# Altium PCB MainBoard.PcbDoc (part 2 of 2)
Units mm, origin at the board's own origin, x right, y up, seen from the top; angles counter-clockwise.
Board outline 63.5 x 63.5 mm, 4 copper layers (SIG-TOP, GND, PWR, SIG_BOT), stack 1.586 mm thick; 49 components, 50 nets, 318 pads, 614 vias.
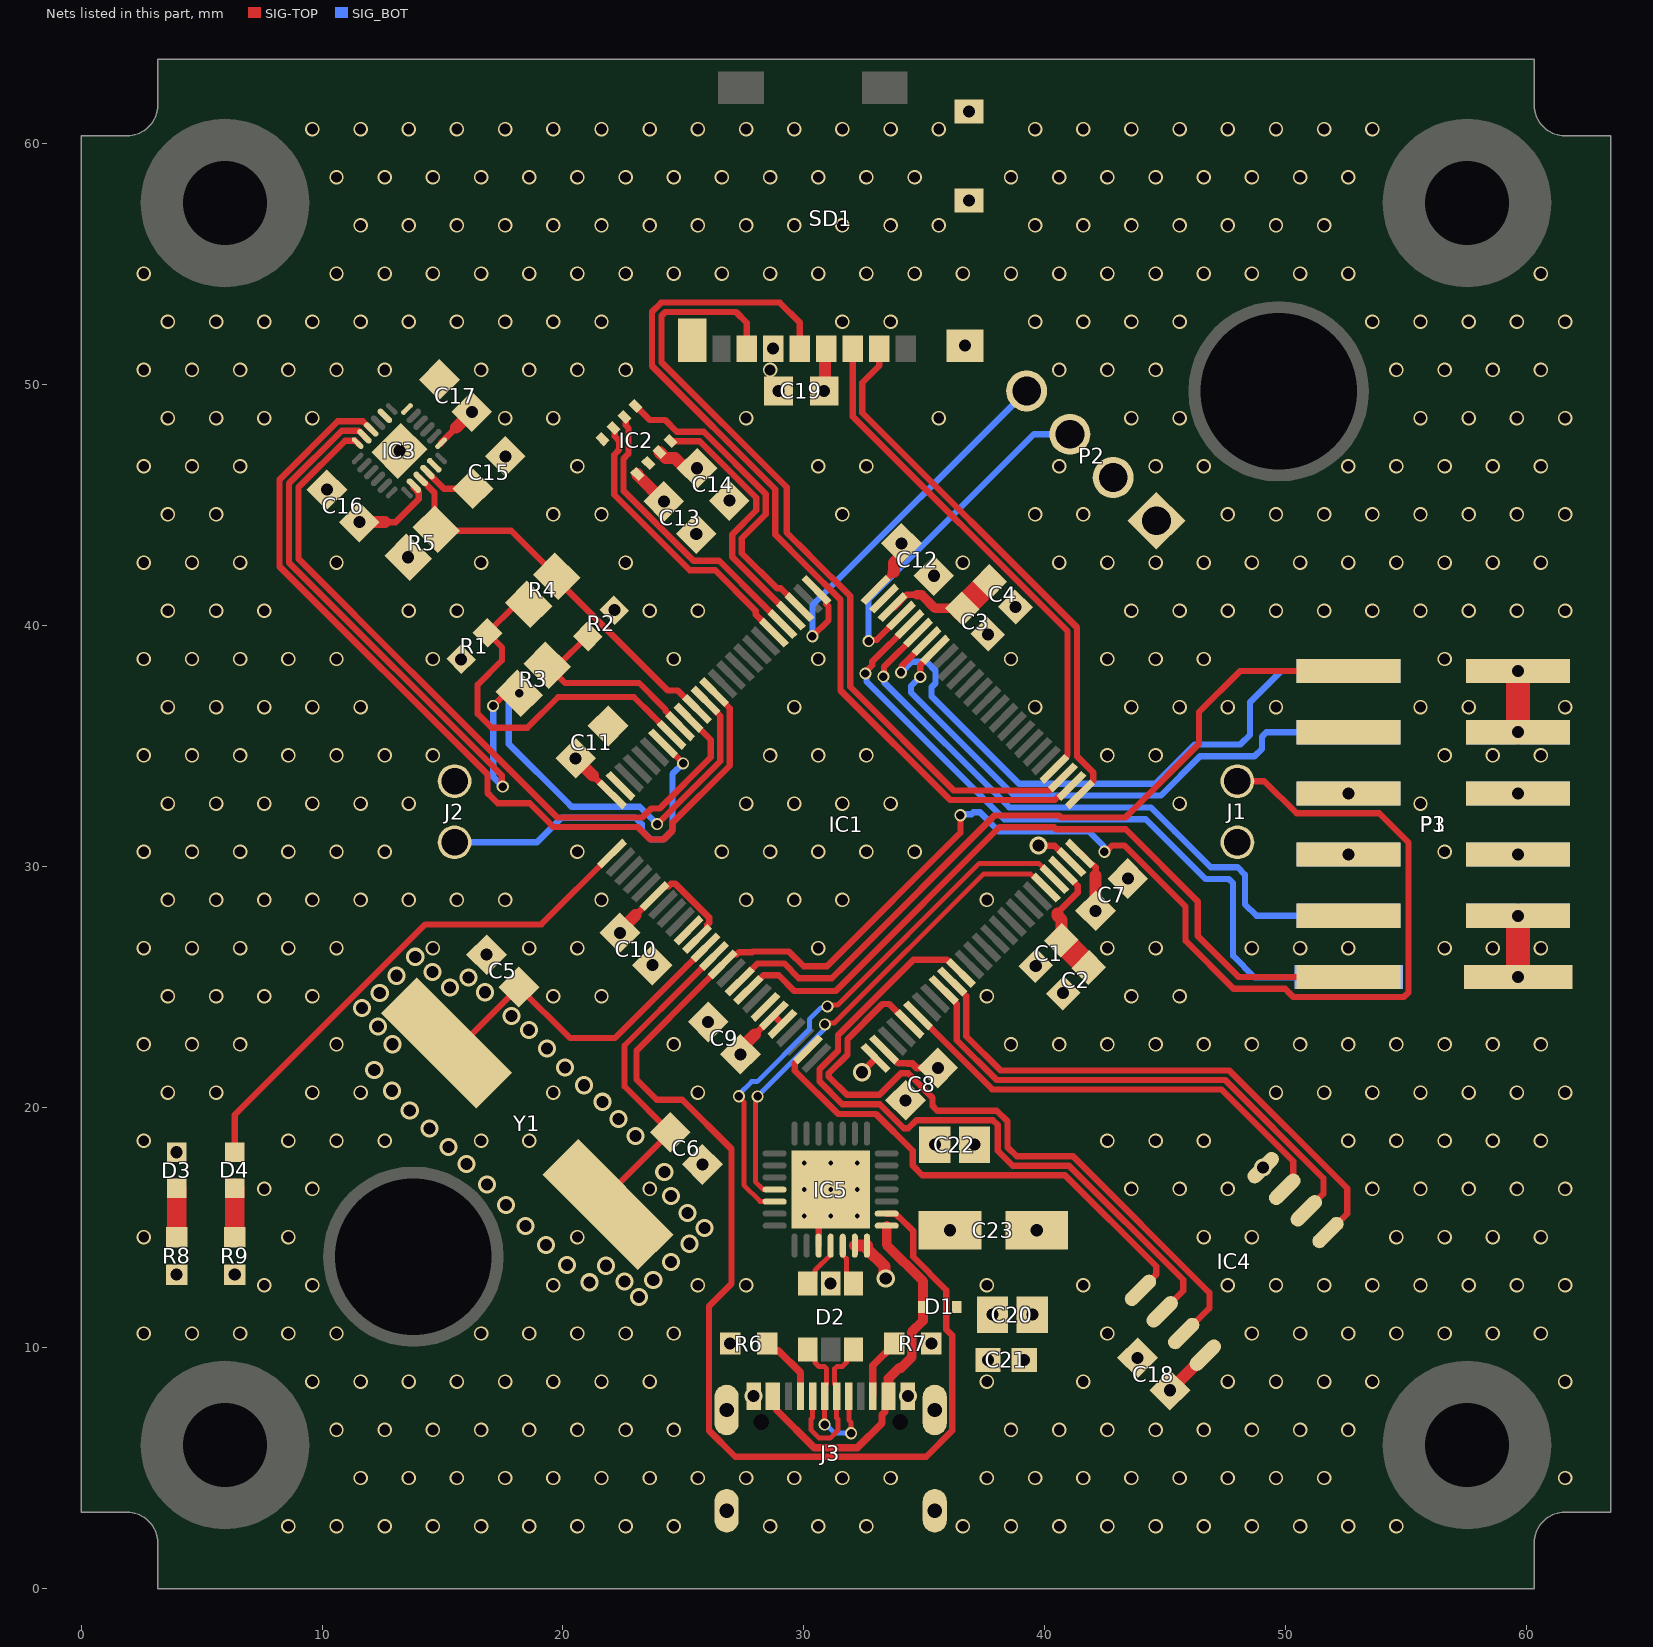
[diagram p4: the nets of this part, all layers, seen from the top]

## Part data
C1 C2 C3 C4: library part CAP-0603-16V, "2.2 µF ±10% 16V Ceramic Capacitor X5R 0603 (1608 Metric)", Manufacturer="Samsung Electro-Mechanics", Part number=CL10A225KO8NNNC
C5 C6: library part CAP-0805-250V-18pF, "18 pF ±1% 250V Ceramic Capacitor C0G, NP0 0805 (2012 Metric)"
C7 C8 C9 C10 C11 C12 C13 C14 C15 C16 C17 C18 C19 C20 C22: library part CAP-0805-25V-100n, "0.1 µF ±10% 25V Ceramic Capacitor X7R 0805 (2012 Metric)"
C21: library part CAP-0603-10V-1uF, "1 µF -20%, +80% 10V Ceramic Capacitor Y5V (F) 0603 (1608 Metric)"
C23: library part CAP-RADIALSMD-4.7uF(BIAS), "4.7 µF 50 V Aluminum Electrolytic Capacitors Radial, Can - SMD 2000 Hrs @ 105°C"
D1: library part TVS-8V-5.8V, "8V (Typ) Clamp 1.5A (8/20µs) Ipp Tvs Diode Surface Mount SOD-523"
D2: library part TVS-6V-17V, "17V Clamp 5A (8/20µs) Ipp Tvs Diode Surface Mount SOT-23-6"
D3 D4: library part LED-0603-Green_, "Green 571nm LED Indication - Discrete 2V 0603 (1608 Metric)"
IC1: library part STMH723VGT6, "ARM® Cortex®-M7 STM32H7 Microcontroller IC 32-Bit Single-Core 550MHz 1MB (1M x 8) FLASH 100-LQFP (14x14)", Manufacturer=STMicroelectronics, Part number=STM32H723VGT6
IC2: "Pressure Sensor 4.35PSI ~ 15.95PSI (30kPa ~ 110kPa) Absolute 16b 8-SMD"
IC3: library part IMU-ICM20649-SPI, "Accelerometer, Gyroscope, Temperature, 6 Axis Sensor I2C, SPI Output"
IC4: library part Flashchip-32MBIT-3V3, "FLASH - NOR Memory IC 32Mbit SPI - Quad I/O 133 MHz 8-SOIC"
IC5: library part USbtoUART, "USB Bridge, USB to UART USB 2.0 UART Interface 28-QFN (5x5)", Manufacturer="Silicon Labs", Part number=CP2102-GMR
J1 J2: library part Header-2-Pin-Male, "Connector Header Through Hole 2 position 0.100\" (2.54mm)", Manufacturer="Würth Elektronik", Part number=61300211121
J3: library part "USB C", "USB-C (USB TYPE-C) USB 2.0 Receptacle Connector 24 (16+8 Dummy) Position Surface Mount, Right Angle; Through Hole", Manufacturer=GCT, Part number=USB4105-GF-A
P1: library part BoardToBoard_Bottom, "Connector Header Through Hole 12 position 0.100\" (2.54mm)"
P2: library part Header-4-Pin, "Male Header, Pitch 2.54 mm, 1 x 4 Position, Height 11.7 mm, Tail Length 3.56 mm, RoHS, Bulk", Manufacturer=MOLEX, Part number=22-27-2041
P3: library part BoardToBoard_Top, "12 Position Receptacle Connector 0.100\" (2.54mm) Through Hole Gold"
R1 R2 R6 R7: library part RES-0603-3.3k, "3.3 kOhms ±0.1% 0.1W, 1/10W Chip Resistor 0603 (1608 Metric) Automotive AEC-Q200 Thin Film", Manufacturer="Panasonic Electronic Components", Part number=ERA-3AEB332V
R3 R4 R5: library part RES-0805-0R, "0 Ohms Jumper Chip Resistor 0805 (2012 Metric) Automotive AEC-Q200 Thick Film"
R8 R9: library part RES-0603-267R, "267 Ohms ±1% 0.1W, 1/10W Chip Resistor 0603 (1608 Metric) Automotive AEC-Q200 Thick Film", Manufacturer="Panasonic Electronic Components", Part number=ERJ-3EKF2670V
SD1: library part microSD-card-connector, "10 (8 + 2) Position Card Connector Secure Digital - microSD™ Surface Mount, Right Angle Gold", Manufacturer=Molex, Parameter 2=1040310811
Y1: library part OSC-8MHz-3V3, "8 MHz ±20ppm Crystal 18pF 80 Ohms HC-49/US"

## Free pads (board coordinates)
  round 7 hole 3.5 mask+0.05: ""(5.969,5.969) ""(5.969,57.531) ""(57.531,5.969) ""(57.531,57.531)
  round 7.5 hole 6.502 mask+0.05: ""(13.789,13.789) ""(49.711,49.711)

## Via types
v1: diameter 0.6, hole 0.45, SIG-TOP to SIG_BOT, tented both sides, 481 vias
v2: diameter 0.75, hole 0.5, SIG-TOP to SIG_BOT, tented both sides, 105 vias
v3: diameter 0.5, hole 0.35, SIG-TOP to SIG_BOT, tented both sides, 19 vias
v4: diameter 0.5, hole 0.2, SIG-TOP to SIG_BOT, 9 vias

## Nets (pads, with @x,y where several pads share a name; then routed paths per layer and width w, separated by ;. In a path a pad name is that pad's centre, name@x,y a point inside that pad or via, vN(x,y) a via of type N, cw(c..) or ccw(c..) an arc to the next point about the centre after c; other vN are vias at no path point)
3V3: C7.2 C8.2 C9.2 C10.2 C11.2 C12.2 C13.2 C14.2 C16.2 C17.2 C18.2 C19.2 C20.2 C21.2 C22.2 C23.2 D3.2 IC1.6 IC1.11 IC1.20 IC1.21 IC1.27 IC1.50 IC1.75 IC1.100 IC2.6 IC2.8 IC3.8 IC3.13 IC4.8 IC5.6 IC5.7 J2.2 P1.1 P1.2 P2.1 P3.11 P3.12 R1.2 R2.1 SD1.4 | length 36.1
  SIG-TOP w0.27: 12.621,44.283 13.055,44.283 14.004,45.233 14.004,45.515 13.809,45.71 IC3.8@13.809,45.794 ; IC3.13@14.94,47.562 14.94,47.582 15.561,48.203 ; 21.241,33.763 22.026,32.979 IC1.100@22.036,32.979 ; 23.014,27.964 IC1.6@23.804,28.753 24.219,29.169 24.382,29.169 24.475,29.262 24.67,29.262 26.08,27.852 26.08,27.657 25.991,27.567 25.987,27.564 25.987,27.401 IC1.11@25.571,26.986 ; 27.964,23.014 IC1.20@28.753,23.804 IC1.21@29.107,23.45 ; IC1.75@32.979,41.464 33.73,42.216 ; IC1.27@33.333,22.389 33.912,21.81 34.306,21.81 ; IC1.50@41.464,30.521 41.485,30.521 41.947,30.059 42.004,30.059 42.109,29.954 42.109,29.612
  SIG-TOP w0.3: 34.306,21.81 34.503,21.81 34.69,21.623 v2(35.564,21.623)
  SIG-TOP w0.5: v2(11.545,44.283) 12.621,44.283 ; 15.561,48.203 v2(16.217,48.858) ; v2(20.528,34.477) 21.241,33.763 ; v2(22.366,27.233) 22.366,27.315 23.014,27.964 ; IC2.8@23.086,46.275 23.086,46.243 v2(24.19,45.14) ; IC2.6@24.006,47.195 24.264,46.936 24.654,46.936 25.071,46.519 v2(25.566,46.519) ; v2(27.37,22.187) 27.37,22.42 27.964,23.014 ; v2(30.846,49.733) 30.887,49.774 30.887,51.443 SD1.4@30.927,51.484 ; IC5.6@32.115,14.249 IC5.7@32.615,14.249 32.615,14.123 33.353,13.385 33.353,12.926 v2(33.401,12.878) ; 33.73,42.216 33.741,42.226 33.741,42.593 34.053,42.905 v2(34.053,43.4) ; v2(42.109,28.142) 42.109,29.612 ; v2(45.198,8.244) 45.205,8.244 46.661,9.7 IC4.8@46.669,9.7
  SIG-TOP w1: v2(59.654,25.4) v2(59.654,27.94)
  other v2: 37.647,9.501 37.834,11.379 36.068,14.884 3.962,18.124 35.437,18.437 15.77,38.586 22.132,40.629
5V: P1.5 P1.6 P3.7 P3.8 | length 2.5
  SIG-TOP w1: v2(59.654,35.56) v2(59.654,38.1)
BMP_CS: IC1.81 IC2.2 | length 12
  SIG-TOP w0.262: IC2.2@22.096,48.184 22.149,48.131 22.149,47.843 22.327,47.666 22.327,47.281 22.123,47.078 22.123,45.42 25.258,42.285 26.318,42.285 27.925,40.677 28.002,40.6 28.002,40.448 IC1.81@28.753,39.696
BMP_MISO: IC1.79 IC2.5 | length 10.9
  SIG-TOP w0.262: IC2.5@24.465,47.654 24.518,47.601 24.581,47.601 24.618,47.638 25.679,47.638 28.029,45.287 28.029,44.771 27.029,43.77 27.029,42.835 28.671,41.193 IC1.79@29.46,40.404
BMP_MOSI: IC1.80 IC2.3 | length 12.1
  SIG-TOP w0.262: IC2.3@22.556,48.644 22.609,48.591 22.609,48.303 22.719,48.193 22.719,47.119 22.515,46.915 22.515,45.583 25.421,42.677 26.48,42.677 28.317,40.84 IC1.80@29.107,40.05
BMP_SCK: IC1.78 IC2.4 | length 13.1
  SIG-TOP w0.262: IC2.4@23.016,49.104 23.595,48.525 24.234,48.525 24.729,48.03 25.841,48.03 28.421,45.45 28.421,44.605 27.422,43.606 27.422,42.996 28.885,41.534 29.037,41.534 IC1.78@29.814,40.757
BOOT0: IC1.94 J2.1 | length 14.3
  SIG-TOP w0.262: IC1.94@24.157,35.1 v3(24.989,34.269)
  SIG_BOT w0.262: J2.1@15.502,30.988 18.923,30.988 19.939,32.004 23.012,32.004 23.278,31.738 23.278,31.478 23.65,31.106 24.176,31.106 24.548,31.478 24.548,33.829 v3(24.989,34.269)
FLASH_CS: IC1.35 IC4.1 | length 23.1
  SIG-TOP w0.262: IC1.35@36.161,25.218 36.161,25.191 36.744,24.607 36.744,22.941 38.17,21.515 47.659,21.515 52.553,16.621 52.553,15.57 51.773,14.791 IC4.1@51.76,14.791
FLASH_IO0: IC1.24 IC4.5 | length 21.1
  SIG-TOP w0.262: IC1.24@30.167,22.389 30.167,22.362 29.623,21.817 29.623,21.508 31.42,19.71 32.207,19.71 32.995,19.71 34.516,18.189 34.516,17.575 34.919,17.171 40.842,17.171 44.628,13.385 44.628,13.047 IC4.5@43.975,12.394
FLASH_IO1: IC1.34 IC4.2 | length 21.6
  SIG-TOP w0.262: IC1.34@35.807,24.864 35.807,24.837 36.352,24.292 36.352,22.779 38.008,21.124 47.496,21.124 51.569,17.051 51.569,16.396 IC4.2@50.862,15.689
FLASH_IO2: IC1.31 IC4.3 | length 19.4
  SIG-TOP w0.262: IC1.31@34.747,23.804 37.819,20.732 47.334,20.732 50.317,17.748 50.317,16.941 IC4.3@49.964,16.587
FLASH_IO3: IC1.30 IC4.7 | length 28.6
  SIG-TOP w0.262: IC1.30@34.393,23.45 34.366,23.45 33.539,24.277 33.267,24.277 31.812,22.822 31.812,22.177 31.04,21.405 31.04,21.259 31.79,20.509 33.006,20.509 33.141,20.509 34.031,21.399 34.333,21.399 35.34,20.391 35.34,20.056 35.546,19.85 38.011,19.85 38.453,19.408 38.453,18.337 38.835,17.955 41.172,17.955 46.838,12.289 46.838,11.643 IC4.7@45.792,10.598
FLASH_SCK: IC1.36 IC4.6 | length 30
  SIG-TOP w0.262: IC1.36@36.514,25.571 36.488,25.571 35.943,26.116 34.552,26.116 31.42,22.984 31.42,22.339 30.648,21.567 30.648,21.067 31.598,20.117 32.614,20.117 33.151,20.117 34.154,19.114 34.331,19.114 34.674,19.458 37.849,19.458 38.049,19.258 38.049,18.186 38.673,17.563 41.009,17.563 45.745,12.827 45.745,12.369 IC4.6@44.873,11.496
GND: C1.1 C2.1 C3.1 C4.1 C5.1 C6.1 C7.1 C8.1 C9.1 C10.1 C11.1 C12.1 C13.1 C14.1 C15.1 C16.1 C17.1 C18.1 C19.1 C20.1 C21.1 C22.1 C23.1 D1.2 D2.5 IC1.10 IC1.19 IC1.26 IC1.49 IC1.74 IC1.99 IC2.1 IC2.7 IC3.11 IC3.18 IC3.20 IC3.25 IC4.4 IC5.3 IC5.29 J1.1 J3.1 J3.12 J3.13 J3.14 J3.15 J3.16 P1.3 P1.4 P1.8 P1.9 P1.10 P1.11 P2.2 P3.3 P3.4 P3.9 P3.10 R5.1 R6.2 R7.2 R8.2 R9.2 SD1.6 SD1.9 SD1.10 SD1.11 SD1.12 | length 14.6
  SIG-TOP w0.27: IC5.3@30.615,14.249 30.615,15.084 31.005,15.473 v4(31.115,15.473) ; v2(32.407,21.444) 32.979,22.015 IC1.26@32.979,22.036 ; v2(39.739,30.849) 40.408,30.849 41.089,30.167 IC1.49@41.111,30.167
  SIG_BOT w0.27: v4(30.015,15.473) v4(31.115,16.573) ; v4(30.015,16.573) v4(31.115,16.573) ; v4(30.015,17.674) v4(31.115,16.573) ; v4(31.115,15.473) v4(31.115,16.573) ; v4(31.115,17.674) v4(31.115,16.573) ; v4(32.215,15.473) v4(31.115,16.573) ; v4(32.215,16.573) v4(31.115,16.573) ; v4(32.215,17.674) v4(31.115,16.573)
  other v1: 8.6,2.6 10.6,2.6 12.6,2.6 14.6,2.6 16.6,2.6 18.6,2.6 20.6,2.6 22.6,2.6 24.6,2.6 28.6,2.6 30.6,2.6 32.6,2.6 36.6,2.6 38.6,2.6 40.6,2.6 42.6,2.6 44.6,2.6 46.6,2.6 48.6,2.6 50.6,2.6 52.6,2.6 54.6,2.6 11.6,4.6 13.6,4.6 15.6,4.6 17.6,4.6 19.6,4.6 21.6,4.6 23.6,4.6 25.6,4.6 27.6,4.6 29.6,4.6 31.6,4.6 33.6,4.6 37.6,4.6 39.6,4.6 41.6,4.6 43.6,4.6 45.6,4.6 47.6,4.6 49.6,4.6 51.6,4.6 61.6,4.6 10.6,6.6 12.6,6.6 14.6,6.6 16.6,6.6 18.6,6.6 20.6,6.6 22.6,6.6 24.6,6.6 38.6,6.6 40.6,6.6 42.6,6.6 44.6,6.6 46.6,6.6 48.6,6.6 50.6,6.6 52.6,6.6 9.6,8.6 11.6,8.6 13.6,8.6 15.6,8.6 17.6,8.6 19.6,8.6 21.6,8.6 23.6,8.6 37.6,8.6 41.6,8.6 47.6,8.6 49.6,8.6 51.6,8.6 53.6,8.6 61.6,8.6 2.6,10.6 4.6,10.6 6.6,10.6 8.6,10.6 10.6,10.6 16.6,10.6 18.6,10.6 20.6,10.6 22.6,10.6 24.6,10.6 42.6,10.6 48.6,10.6 50.6,10.6 52.6,10.6 54.6,10.6 56.6,10.6 58.6,10.6 60.6,10.6 7.6,12.6 9.6,12.6 19.6,12.6 25.6,12.6 27.6,12.6 37.6,12.6 41.6,12.6 47.6,12.6 49.6,12.6 51.6,12.6 53.6,12.6 55.6,12.6 57.6,12.6 59.6,12.6 61.6,12.6 2.6,14.6 8.6,14.6 20.6,14.6 46.6,14.6 48.6,14.6 54.6,14.6 56.6,14.6 58.6,14.6 60.6,14.6 7.6,16.6 9.6,16.6 23.6,16.6 43.6,16.6 45.6,16.6 47.6,16.6 53.6,16.6 55.6,16.6 57.6,16.6 59.6,16.6 61.6,16.6 2.6,18.6 8.6,18.6 10.6,18.6 12.6,18.6 16.6,18.6 18.6,18.6 42.6,18.6 44.6,18.6 46.6,18.6 52.6,18.6 54.6,18.6 56.6,18.6 58.6,18.6 60.6,18.6 3.6,20.6 5.6,20.6 9.6,20.6 11.6,20.6 19.6,20.6 25.6,20.6 49.6,20.6 51.6,20.6 53.6,20.6 55.6,20.6 57.6,20.6 59.6,20.6 61.6,20.6 2.6,22.6 4.6,22.6 6.6,22.6 10.6,22.6 24.6,22.6 38.6,22.6 40.6,22.6 42.6,22.6 44.6,22.6 46.6,22.6 48.6,22.6 50.6,22.6 52.6,22.6 54.6,22.6 56.6,22.6 58.6,22.6 60.6,22.6 3.6,24.6 5.6,24.6 7.6,24.6 9.6,24.6 19.6,24.6 21.6,24.6 37.6,24.6 43.6,24.6 45.6,24.6 2.6,26.6 4.6,26.6 6.6,26.6 8.6,26.6 10.6,26.6 14.6,26.6 18.6,26.6 20.6,26.6 30.6,26.6 42.6,26.6 44.6,26.6 48.6,26.6 50.6,26.6 52.6,26.6 56.6,26.6 58.6,26.6 60.6,26.6 3.6,28.6 5.6,28.6 7.6,28.6 9.6,28.6 11.6,28.6 13.6,28.6 15.6,28.6 17.6,28.6 21.6,28.6 27.6,28.6 29.6,28.6 31.6,28.6 37.6,28.6 2.6,30.6 4.6,30.6 6.6,30.6 8.6,30.6 10.6,30.6 12.6,30.6 20.6,30.6 26.6,30.6 28.6,30.6 30.6,30.6 32.6,30.6 34.6,30.6 56.6,30.6 3.6,32.6 5.6,32.6 7.6,32.6 9.6,32.6 11.6,32.6 13.6,32.6 27.6,32.6 29.6,32.6 31.6,32.6 33.6,32.6 45.6,32.6 55.6,32.6 2.6,34.6 4.6,34.6 6.6,34.6 8.6,34.6 10.6,34.6 12.6,34.6 14.6,34.6 28.6,34.6 30.6,34.6 32.6,34.6 42.6,34.6 44.6,34.6 56.6,34.6 58.6,34.6 60.6,34.6 3.6,36.6 5.6,36.6 7.6,36.6 9.6,36.6 11.6,36.6 29.6,36.6 39.6,36.6 43.6,36.6 45.6,36.6 47.6,36.6 49.6,36.6 55.6,36.6 57.6,36.6 61.6,36.6 2.6,38.6 4.6,38.6 6.6,38.6 8.6,38.6 10.6,38.6 14.6,38.6 24.6,38.6 30.6,38.6 38.6,38.6 42.6,38.6 44.6,38.6 46.6,38.6 56.6,38.6 3.6,40.6 5.6,40.6 7.6,40.6 13.6,40.6 15.6,40.6 23.6,40.6 25.6,40.6 43.6,40.6 45.6,40.6 47.6,40.6 49.6,40.6 51.6,40.6 53.6,40.6 55.6,40.6 57.6,40.6 59.6,40.6 61.6,40.6 2.6,42.6 4.6,42.6 6.6,42.6 10.6,42.6 16.6,42.6 22.6,42.6 36.6,42.6 40.6,42.6 42.6,42.6 44.6,42.6 46.6,42.6 48.6,42.6 50.6,42.6 52.6,42.6 54.6,42.6 56.6,42.6 58.6,42.6 60.6,42.6 3.6,44.6 5.6,44.6 19.6,44.6 21.6,44.6 31.6,44.6 39.6,44.6 41.6,44.6 47.6,44.6 49.6,44.6 51.6,44.6 53.6,44.6 55.6,44.6 57.6,44.6 59.6,44.6 61.6,44.6 2.6,46.6 4.6,46.6 6.6,46.6 20.6,46.6 30.6,46.6 32.6,46.6 40.6,46.6 44.6,46.6 46.6,46.6 52.6,46.6 54.6,46.6 56.6,46.6 58.6,46.6 60.6,46.6 3.6,48.6 5.6,48.6 7.6,48.6 9.6,48.6 17.6,48.6 19.6,48.6 27.6,48.6 35.6,48.6 43.6,48.6 45.6,48.6 55.6,48.6 57.6,48.6 59.6,48.6 61.6,48.6 2.6,50.6 4.6,50.6 6.6,50.6 8.6,50.6 10.6,50.6 12.6,50.6 16.6,50.6 18.6,50.6 20.6,50.6 22.6,50.6 28.6,50.6 40.6,50.6 42.6,50.6 44.6,50.6 54.6,50.6 56.6,50.6 58.6,50.6 60.6,50.6 3.6,52.6 5.6,52.6 7.6,52.6 9.6,52.6 11.6,52.6 13.6,52.6 15.6,52.6 17.6,52.6 19.6,52.6 21.6,52.6 31.6,52.6 33.6,52.6 39.6,52.6 41.6,52.6 43.6,52.6 45.6,52.6 53.6,52.6 55.6,52.6 57.6,52.6 59.6,52.6 61.6,52.6 2.6,54.6 10.6,54.6 12.6,54.6 14.6,54.6 16.6,54.6 18.6,54.6 20.6,54.6 22.6,54.6 24.6,54.6 26.6,54.6 28.6,54.6 30.6,54.6 32.6,54.6 34.6,54.6 36.6,54.6 38.6,54.6 40.6,54.6 42.6,54.6 44.6,54.6 46.6,54.6 48.6,54.6 50.6,54.6 52.6,54.6 60.6,54.6 11.6,56.6 13.6,56.6 15.6,56.6 17.6,56.6 19.6,56.6 21.6,56.6 23.6,56.6 25.6,56.6 27.6,56.6 29.6,56.6 31.6,56.6 33.6,56.6 35.6,56.6 39.6,56.6 41.6,56.6 43.6,56.6 45.6,56.6 47.6,56.6 49.6,56.6 51.6,56.6 10.6,58.6 12.6,58.6 14.6,58.6 16.6,58.6 18.6,58.6 20.6,58.6 22.6,58.6 24.6,58.6 26.6,58.6 28.6,58.6 30.6,58.6 32.6,58.6 34.6,58.6 38.6,58.6 40.6,58.6 42.6,58.6 44.6,58.6 46.6,58.6 48.6,58.6 50.6,58.6 52.6,58.6 9.6,60.6 11.6,60.6 13.6,60.6 15.6,60.6 17.6,60.6 19.6,60.6 21.6,60.6 23.6,60.6 25.6,60.6 27.6,60.6 29.6,60.6 31.6,60.6 33.6,60.6 35.6,60.6 39.6,60.6 41.6,60.6 43.6,60.6 45.6,60.6 47.6,60.6 49.6,60.6 51.6,60.6 53.6,60.6
  other v2: 27.915,7.998 34.315,7.998 39.147,9.501 43.854,9.587 26.936,10.181 35.298,10.181 39.484,11.379 23.165,12.116 31.115,12.678 21.107,12.725 22.555,12.751 23.749,12.827 3.962,13.043 6.375,13.043 21.793,13.411 20.168,13.437 24.486,13.564 19.304,14.275 25.248,14.326 39.668,14.884 25.883,14.986 18.44,15.062 25.171,15.596 17.628,15.926 24.486,16.307 16.84,16.789 24.206,17.297 49.066,17.485 16.002,17.628 25.792,17.616 15.24,18.339 37.087,18.437 23.012,18.796 14.453,19.101 22.301,19.507 13.64,19.863 21.641,20.218 34.22,20.279 12.903,20.676 20.879,20.904 12.167,21.539 20.091,21.641 19.329,22.428 12.929,22.606 18.593,23.19 12.319,23.343 26.027,23.531 17.856,23.774 11.659,24.105 12.395,24.74 40.767,24.729 16.764,24.765 15.316,24.968 16.081,25.38 13.081,25.451 14.58,25.603 39.627,25.86 23.709,25.889 13.868,26.238 16.829,26.326 43.453,29.486 52.614,30.48 59.654,30.48 52.614,33.02 59.654,33.02 37.638,39.622 38.783,40.759 35.397,42.056 13.572,42.823 25.533,43.796 26.91,45.175 10.202,45.627 17.608,47.015 13.208,47.244 28.946,49.733 28.728,51.484 36.688,51.609 36.863,57.634 36.863,61.334
GREEN_LED: D4.2 IC1.1 | length 21.7
  SIG-TOP w0.254: D4.2@6.375,18.124 6.375,19.673 14.287,27.584 19.099,27.584 IC1.1@22.036,30.521
IF: IC1.17 P1.12 | length 31.7
  SIG-TOP w0.262: IC1.17@27.693,24.864 27.719,24.864 28.324,25.469 28.953,25.469 29.606,24.816 31.326,24.816 31.91,25.399 38.119,31.609 40.389,31.609 40.47,31.528 43.358,31.528 46.355,28.531 46.355,27.102 48.057,25.4 P1.12@52.614,25.4
IMU_CS: IC1.88 IC3.22 | length 37.2
  SIG-TOP w0.262: IC3.22@12.041,48.128 12.036,48.128 11.695,48.468 10.652,48.468 8.232,46.048 8.232,42.441 16.866,33.807 16.866,33.036 17.039,32.863 17.288,32.614 18.618,32.614 19.355,31.877 19.609,31.623 23.114,31.623 23.631,31.106 24.176,31.106 24.548,31.478 24.548,31.801 26.922,34.175 26.922,36.551 26.278,37.195 IC1.88@26.278,37.222
IMU_MISO: IC1.90 IC3.9 R4.2 R5.2 | length 16.4
  SIG-TOP w0.262: IC3.9@14.092,46.077 14.668,45.501 14.668,44.06 R5.2@14.739,43.99 14.81,43.919 17.855,43.919 R4.2@19.737,42.036 19.737,41.9 24.347,37.291 24.768,37.291 25.129,36.93 25.156,36.93 IC1.90@25.571,36.514
IMU_MOSI: IC1.91 IC3.24 | length 30.9
  SIG-TOP w0.262: IC3.24@11.476,47.562 11.374,47.663 10.956,47.663 9.022,45.73 9.022,42.759 13.709,38.073 13.713,38.073 19.766,32.02 23.294,32.02 23.667,32.394 24.011,32.394 26.138,34.52 26.138,35.241 IC1.91@25.218,36.161
IMU_SCK: IC1.89 IC3.23 R3.2 | length 41.5
  SIG-TOP w0.262: IC3.23@11.758,47.845 11.75,47.845 11.519,48.076 10.814,48.076 8.624,45.885 8.624,42.604 17.457,33.77 17.457,33.343 v3(17.501,33.299) ; v3(17.1,36.656) 17.618,37.173 v3(18.179,37.173) ; v3(23.913,31.741) 26.53,34.358 26.53,36.236 26.34,36.426 26.34,36.453 IC1.89@25.925,36.868
  SIG_BOT w0.262: v3(17.1,36.656) 17.1,33.7 v3(17.501,33.299) ; v3(18.179,37.173) 17.755,36.749 17.755,35.071 20.152,32.674 20.353,32.472 23.182,32.472 v3(23.913,31.741)
NetC15_2: C15.2 IC3.10 | length 2.2
  SIG-TOP w0.262: IC3.10@14.375,46.36 15.064,45.671 C15.2@16.265,45.671
NetD3_1: D3.1 R8.1 | length 2
  SIG-TOP w0.8: R8.1@3.962,14.593 D3.1@3.962,16.624
NetD4_1: D4.1 R9.1 | length 2
  SIG-TOP w0.8: R9.1@6.375,14.593 D4.1@6.375,16.624
NetJ3_4: J3.4 R6.1 | length 2.9
  SIG-TOP w0.3: R6.1@28.486,10.181 28.486,10.156 28.761,9.881 28.951,9.881 29.866,8.966 29.866,8.512 29.865,8.511 J3.4@29.865,7.998
NetJ3_10: J3.10 R7.1 | length 2.5
  SIG-TOP w0.3: J3.10@32.865,7.998 32.865,9.273 33.748,10.156 R7.1@33.748,10.181
NRST: IC1.14 IC5.9 J1.2 | length 95.7
  SIG-TOP w0.262: IC5.9@33.44,15.574 33.803,15.574 33.947,15.43 33.962,15.43 34.537,14.855 34.537,13.78 35.915,12.402 35.915,10.765 36.166,10.514 36.166,6.57 35.077,5.481 27.153,5.481 26.064,6.57 26.064,11.737 26.999,12.672 26.999,18.257 24.946,20.309 23.887,20.309 23.056,21.14 23.056,22.349 25.842,25.135 IC1.14@26.632,25.925 27.047,26.34 27.216,26.34 27.305,26.43 27.855,26.43 27.879,26.453 29.386,26.453 29.998,25.841 30.96,25.841 36.5,31.381 v3(36.5,32.114) ; v3(42.478,30.599) 42.542,30.599 42.805,30.861 43.307,30.861 45.847,28.321 45.847,26.899 47.838,24.908 49.986,24.908 50.089,24.805 50.089,24.797 50.317,24.569 54.911,24.569 55.105,24.763 55.105,30.976 53.888,32.193 50.454,32.193 49.119,33.528 J1.2@47.998,33.528
  SIG_BOT w0.262: v3(36.5,32.114) 36.545,32.16 36.962,32.16 37.035,32.233 37.313,32.233 38.09,31.455 41.821,31.455 42.433,30.843 42.433,30.644 v3(42.478,30.599)
OSC_IN: C5.2 IC1.12 Y1.1 | length 14.2
  SIG-TOP w0.254: Y1.1@15.158,22.663 15.853,22.663 C5.2@18.172,24.982 20.295,22.86 22.153,22.86 25.135,25.842 IC1.12@25.925,26.632
OSC_OUT: C6.2 IC1.13 Y1.2 | length 13.7
  SIG-TOP w0.254: Y1.2@21.875,15.945 21.875,16.386 C6.2@24.449,18.96 22.555,20.853 22.555,22.555 25.489,25.489 IC1.13@26.278,26.278
RX_APRS: IC1.70 P3.2 | length 26.7
  SIG-TOP w0.262: v3(33.299,37.866) 33.329,37.897 33.329,38.279 IC1.70@34.747,39.696
  SIG_BOT w0.262: v3(33.299,37.866) 33.329,37.836 33.329,37.633 38.524,32.439 43.507,32.439 44.396,32.439 45.39,31.445 45.4,31.445 46.889,29.956 48.006,29.956 48.311,29.651 48.311,28.423 48.793,27.94 P3.2@52.614,27.94
RX_USB: IC1.47 IC5.26 | length 23
  SIG-TOP w0.205: v3(27.302,20.448) 27.302,20.421 27.509,20.214 27.509,16.761 28.188,16.082 28.781,16.082 IC5.26@28.79,16.074 ; v3(30.977,24.178) 31.033,24.234 31.4,24.234 37.283,30.118 39.746,30.118 IC1.47@40.404,29.46
  SIG_BOT w0.205: v3(27.302,20.448) 27.302,20.518 27.836,21.052 28.062,21.052 30.227,23.217 30.227,23.646 30.702,24.121 30.92,24.121 v3(30.977,24.178)
RX_XBee: IC1.69 P3.6 | length 26.2
  SIG-TOP w0.262: v3(34.032,38.041) 34.068,38.077 34.068,38.311 IC1.69@35.1,39.343
  SIG_BOT w0.262: v3(34.032,38.041) 34.481,38.49 35.095,38.49 35.467,38.118 35.467,37.592 35.298,37.422 35.298,37.056 38.932,33.423 42.523,33.423 44.596,33.423 46.225,35.052 48.123,35.052 48.524,35.453 48.524,36.813 49.811,38.1 P3.6@52.614,38.1
SCL: IC1.92 R2.2 R3.1 | length 8.8
  SIG-TOP w0.25: R2.2@21.036,39.533 21,39.533 19.807,38.34 R3.1@19.346,38.34 20.079,37.607 23.157,37.607 24.121,36.643 24.265,36.499 24.265,36.442 24.378,36.329 24.449,36.258 24.449,36.223 IC1.92@24.864,35.807
SD_CS: IC1.51 SD1.2 | length 23
  SIG-TOP w0.262: SD1.2@33.128,51.484 33.128,50.781 32.42,50.073 32.42,48.828 41.34,39.907 41.34,34.556 42.009,33.888 42.009,33.551 41.464,33.006 IC1.51@41.464,32.979
SD_MISO: IC1.53 SD1.7 | length 34.4
  SIG-TOP w0.262: SD1.7@27.628,51.484 27.635,51.491 27.635,52.553 27.183,53.004 24.241,53.004 24.09,52.854 24.09,50.925 29.286,45.729 29.286,43.849 30.192,42.943 30.306,42.829 31.921,41.214 31.921,37.448 36.228,33.141 40.185,33.141 40.73,33.686 IC1.53@40.757,33.686
SD_MOSI: IC1.54 SD1.3 | length 21.4
  SIG-TOP w0.262: SD1.3@32.028,51.484 32.028,48.666 40.949,39.745 40.949,34.997 40.949,34.611 40.404,34.067 IC1.54@40.404,34.04
SD_SCK: IC1.52 SD1.5 | length 38.4
  SIG-TOP w0.262: SD1.5@29.827,51.484 29.827,52.57 29.001,53.396 24.078,53.396 23.698,53.016 23.698,50.762 28.813,45.647 28.813,43.767 30.062,42.519 31.521,41.059 31.521,37.293 36.066,32.749 40.416,32.749 40.553,32.887 40.638,32.887 41.084,33.333 IC1.52@41.111,33.333
SDA: IC1.93 R1.1 R4.1 | length 15.7
  SIG-TOP w0.25: R4.1@18.571,40.87 18.054,40.87 R1.1@16.866,39.682 17.468,39.08 17.468,38.547 16.459,37.538 16.459,36.322 17.036,35.745 18.524,35.745 19.795,37.016 22.949,37.016 23.721,36.243 IC1.93@24.511,35.454
SWCLK: IC1.76 P2.4 | length 16.3
  SIG-TOP w0.262: v3(30.357,39.544) 31.026,40.213 31.026,40.791 30.936,40.881 30.936,41.049 IC1.76@30.521,41.464
  SIG_BOT w0.262: v3(30.357,39.544) 30.357,40.832 P2.4@39.25,49.726
SWDIO: IC1.72 P2.3 | length 14.7
  SIG-TOP w0.25: v3(32.69,39.345) 32.738,39.392 33.028,39.392 IC1.72@34.04,40.404
  SIG_BOT w0.25: v3(32.69,39.345) 32.69,41.072 33.782,42.164
  SIG_BOT w0.254: 33.782,42.164 39.548,47.93 P2.3@41.046,47.93
TX_APRS: IC1.71 P3.1 | length 30
  SIG-TOP w0.262: v3(32.556,37.998) 32.556,38.062 32.837,38.344 32.837,38.494 IC1.71@34.393,40.05
  SIG_BOT w0.262: v3(32.556,37.998) 32.598,37.956 32.598,37.669 38.32,31.947 43.999,31.947 44.192,31.947 45.186,30.953 45.196,30.953 46.685,29.464 47.65,29.464 47.819,29.296 47.819,26.273 48.717,25.375 52.589,25.375 P3.1@52.614,25.4
TX_USB: IC1.46 IC5.25 | length 20.7
  SIG-TOP w0.205: v3(28.082,20.44) 28.025,20.384 28.025,20.235 27.988,20.197 27.988,16.897 28.302,16.582 28.781,16.582 IC5.25@28.79,16.573 ; v3(30.87,23.431) 30.926,23.488 31.268,23.488 37.463,29.683 39.406,29.683 39.983,29.107 IC1.46@40.05,29.107
  SIG_BOT w0.205: v3(28.082,20.44) 28.082,20.457 29.301,21.677 30.813,23.189 30.813,23.375 v3(30.87,23.431)
TX_XBee: IC1.68 P3.5 | length 23.5
  SIG-TOP w0.262: v3(34.832,37.855) 34.832,38.341 35.454,38.962 IC1.68@35.454,38.989
  SIG_BOT w0.262: v3(34.832,37.855) 34.445,37.468 34.445,37.214 38.728,32.931 43.015,32.931 44.818,32.931 46.446,34.559 48.709,34.559 49.022,34.872 49.022,35.382 49.2,35.56 P3.5@52.614,35.56
USB_D_IN_N: D2.3 J3.5 J3.7 | length 6.7
  SIG-TOP w0.205: J3.5@30.365,7.998 30.365,7.107 30.306,7.047 30.306,6.581 30.632,6.255 31.094,6.255 31.42,6.581 31.42,7.043 31.364,7.098 J3.7@31.365,7.998 ; J3.7@31.365,7.998 31.365,8.423 31.281,8.507 31.281,9.139 31.367,9.226 31.599,9.226 31.767,9.394 31.767,9.63 D2.3@32.065,9.928
USB_D_IN_P: D2.1 J3.6 J3.8 | length 6.4
  SIG-TOP w0.205: D2.1@30.165,9.928 30.463,9.63 30.463,9.394 30.631,9.226 30.863,9.226 30.949,9.139 30.949,8.507 30.865,8.423 J3.6@30.865,7.998 ; v3(30.863,6.812) 30.866,6.815 J3.6@30.865,7.998 ; J3.8@31.865,7.998 31.871,7.992 31.871,7.002 31.963,6.909 v3(31.963,6.457)
  SIG_BOT w0.205: v3(30.863,6.812) 30.931,6.812 31.266,6.477 31.944,6.477 v3(31.963,6.457)
USB_D_N: D2.6 IC5.5 | length 1.8
  SIG-TOP w0.205: IC5.5@31.615,14.249 31.615,13.861 31.767,13.709 31.767,12.976 D2.6@32.065,12.678
USB_D_P: D2.4 IC5.4 | length 2
  SIG-TOP w0.205: D2.4@30.165,12.678 30.463,12.976 30.463,13.221 31.115,13.874 IC5.4@31.115,14.249
VBUS: D1.1 IC5.8 J3.2 J3.11 | length 15.7
  SIG-TOP w0.3: J3.2@28.715,7.998 28.865,7.848 28.865,7.419 30.432,5.852 32.214,5.852 33.25,6.888 33.25,7.236 33.365,7.351 33.365,7.848 J3.11@33.515,7.998
  SIG-TOP w0.4: IC5.8@33.44,15.074 33.44,14.281 34.946,12.775 D1.1@34.946,11.708 34.946,11.128 34.473,10.655 34.473,9.606 34.034,9.168 33.953,9.168 33.515,8.729 J3.11@33.515,7.998
VCAP_1: C1.2 C2.2 IC1.48 | length 5.2
  SIG-TOP w0.27: 40.531,28.034 40.531,28.071 41.366,28.906 41.366,29.184 40.757,29.793 IC1.48@40.757,29.814
  SIG-TOP w0.5: 40.531,28.034 40.531,27.944 40.705,27.77 40.705,26.939 40.692,26.925 C1.2@40.688,26.921
  SIG-TOP w1: C1.2@40.692,26.925 C2.2@41.827,25.789
VCAP_2: C3.2 C4.2 IC1.73 | length 4.9
  SIG-TOP w0.27: IC1.73@33.721,40.722 34.266,41.266 34.68,41.266
  SIG-TOP w0.4: 34.68,41.266 34.883,41.266 35.449,40.7 36.559,40.7 C3.2@36.577,40.683
  SIG-TOP w1: C3.2@36.577,40.683 C4.2@37.718,41.824
VF: IC1.16 P1.7 | length 32
  SIG-TOP w0.262: IC1.16@27.339,25.218 28.083,25.961 29.182,25.961 29.794,25.349 31.164,25.349 31.776,25.961 37.916,32.101 40.593,32.101 40.674,32.02 43.351,32.02 43.638,32.308 46.401,35.07 46.401,36.384 48.117,38.1 P1.7@52.614,38.1
pads on no net: D2.2 IC1.2 IC1.3 IC1.4 IC1.5 IC1.7 IC1.8 IC1.9 IC1.15 IC1.18 IC1.22 IC1.23 IC1.25 IC1.28 IC1.29 IC1.32 IC1.33 IC1.37 IC1.38 IC1.39 IC1.40 IC1.41 IC1.42 IC1.43 IC1.44 IC1.45 IC1.55 IC1.56 IC1.57 IC1.58 IC1.59 IC1.60 IC1.61 IC1.62 IC1.63 IC1.64 IC1.65 IC1.66 IC1.67 IC1.77 IC1.82 IC1.83 IC1.84 IC1.85 IC1.86 IC1.87 IC1.95 IC1.96 IC1.97 IC1.98 IC3.1 IC3.2 IC3.3 IC3.4 IC3.5 IC3.6 IC3.7 IC3.12 IC3.14 IC3.15 IC3.16 IC3.17 IC3.19 IC3.21 IC5.1 IC5.2 IC5.10 IC5.11 IC5.12 IC5.13 IC5.14 IC5.15 IC5.16 IC5.17 IC5.18 IC5.19 IC5.20 IC5.21 IC5.22 IC5.23 IC5.24 IC5.27 IC5.28 J3. J3.3 J3.9 SD1.1 SD1.8 SD1.13 SD1.14

## Polygon pours and split planes (outlines as drawn)
GND on SIG-TOP "NONET_L01_P-001" (solid, remove dead copper, pour order 0): 0.076,60.3 cw(c0.138,60.238) 0.138,60.325 1.727,60.325 ccw(c1.727,61.919) 2.855,60.792 3.124,61.062 ccw(c3.002,61.184) 3.175,61.184 3.175,63.475 60.274,63.475 cw(c60.029,63.229) 60.376,63.229 60.376,61.316 ccw(c60.744,61.316) 60.484,61.055 61.189,60.35 ccw(c61.373,60.534) 61.373,60.274 63.475,60.274 63.475,3.287 cw(c63.388,3.287) 63.449,3.226 cw(c63.204,3.471) 63.204,3.124 61.265,3.124 ccw(c61.265,3.063) 61.221,3.106 60.427,2.311 ccw(c60.733,2.005) 60.3,2.005 60.3,0.178 60.276,0.154 cw(c59.842,0.588) 59.842,-0.025 3.666,-0.025 cw(c3.666,0.668) 3.175,0.178 cw(c3.42,0.423) 3.073,0.423 3.073,2.337 2.466,2.945 ccw(c2.032,2.511) 2.032,3.124 0.332,3.124 cw(c0.332,3.558) 0.025,3.251 cw(c0.271,3.496) -0.076,3.496 -0.076,59.993 cw(c0.357,59.993) 0.051,60.3
no net on Top Overlay "NONET_L01_P-001" (solid): 0.508,53.34 0.508,43.18 4.47,43.18 4.47,53.34
GND on GND "NONET_L01_P-001" (solid, remove dead copper, pour order 1): 0.178,60.249 cw(c0.239,60.187) 0.239,60.274 1.829,60.274 ccw(c1.829,61.869) 2.956,60.741 3.226,61.011 ccw(c3.103,61.133) 3.277,61.133 3.277,63.424 60.376,63.424 cw(c60.131,63.179) 60.477,63.179 60.477,61.265 ccw(c60.845,61.265) 60.585,61.005 61.29,60.3 ccw(c61.474,60.484) 61.474,60.223 63.576,60.223 63.576,3.236 cw(c63.489,3.236) 63.551,3.175 cw(c63.306,3.42) 63.306,3.073 61.366,3.073 ccw(c61.366,3.012) 61.323,3.055 60.528,2.261 ccw(c60.835,1.954) 60.401,1.954 60.401,0.127 60.378,0.103 cw(c59.944,0.537) 59.944,-0.076 3.767,-0.076 cw(c3.767,0.618) 3.277,0.127 cw(c3.522,0.372) 3.175,0.372 3.175,2.286 2.567,2.894 ccw(c2.134,2.46) 2.134,3.073 0.434,3.073 cw(c0.434,3.507) 0.127,3.2 cw(c0.372,3.446) 0.025,3.446 0.025,59.942 cw(c0.459,59.942) 0.152,60.249
GND on SIG_BOT "NONET_L01_P-001" (solid, remove dead copper, pour order 3): 0.127,60.3 cw(c0.188,60.238) 0.188,60.325 1.778,60.325 ccw(c1.778,61.919) 2.905,60.792 3.175,61.062 ccw(c3.052,61.184) 3.226,61.184 3.226,63.475 60.325,63.475 cw(c60.08,63.229) 60.427,63.229 60.427,61.316 ccw(c60.795,61.316) 60.534,61.055 61.239,60.35 ccw(c61.423,60.534) 61.423,60.274 63.525,60.274 63.525,3.287 cw(c63.439,3.287) 63.5,3.226 cw(c63.255,3.471) 63.255,3.124 61.316,3.124 ccw(c61.316,3.063) 61.272,3.106 60.477,2.311 ccw(c60.784,2.005) 60.35,2.005 60.35,0.178 60.327,0.154 cw(c59.893,0.588) 59.893,-0.025 3.716,-0.025 cw(c3.716,0.668) 3.226,0.178 cw(c3.471,0.423) 3.124,0.423 3.124,2.337 2.516,2.945 ccw(c2.083,2.511) 2.083,3.124 0.383,3.124 cw(c0.383,3.558) 0.076,3.251 cw(c0.321,3.496) -0.025,3.496 -0.025,59.993 cw(c0.408,59.993) 0.102,60.3
3V3 on PWR "NONET_L01_P-001" (solid, pour order 2): 0.025,60.35 cw(c0.087,60.289) 0.087,60.376 1.676,60.376 ccw(c1.676,61.97) 2.804,60.843 3.073,61.112 ccw(c2.951,61.235) 3.124,61.235 3.124,63.525 60.223,63.525 cw(c59.978,63.28) 60.325,63.28 60.325,61.366 ccw(c60.693,61.366) 60.433,61.106 61.138,60.401 ccw(c61.322,60.585) 61.322,60.325 63.424,60.325 63.424,3.338 cw(c63.337,3.338) 63.398,3.277 cw(c63.153,3.522) 63.153,3.175 61.214,3.175 ccw(c61.214,3.114) 61.171,3.157 60.376,2.362 ccw(c60.682,2.056) 60.249,2.056 60.249,0.229 60.225,0.205 cw(c59.792,0.639) 59.792,0.025 3.615,0.025 cw(c3.615,0.719) 3.124,0.229 cw(c3.369,0.474) 3.023,0.474 3.023,2.388 2.415,2.995 ccw(c1.981,2.562) 1.981,3.175 0.281,3.175 cw(c0.281,3.609) -0.025,3.302 cw(c0.22,3.547) -0.127,3.547 -0.127,60.044 cw(c0.307,60.044) 0,60.35

## Keep-outs
Keep-Out Layer:
  the board outline again, w0.5

## Silkscreen, mask and mechanical layers (free items; w line width, h text height)
Top Overlay:
  drawing of 163 lines, arcs and shapes, not listed
  text "BOARD ID" at 4.75,51.46 h0.86 r270
  text "A&C Lead" at 3.632,42.672 h0.76 r270
  text "RE" at 6.045,42.672 h0.76 r270
  text "BISCUIT" at 8.738,42.672 h1.52 r270
  text ":" at 4.242,36.22 h0.76 r90
  text ":" at 6.655,36.22 h0.76 r90
  text "Mohammed Abdeen" at 3.632,31.521 h0.64 r270
  text "Mohammed Abdeen" at 6.045,31.521 h0.64 r270
  text "Saladin" at 8.738,26.411 h1.27 r270
  text "VCC" at 3.632,21.082 h0.64 r270
  text "LED" at 6.045,21.082 h0.64 r270
  text "RevA" at 8.738,17.323 h1.02 r270